# Altium PCB PCB_15122020_01BC.PcbDoc (part 2 of 9)
Units mm, origin at the board's own origin, x right, y up, seen from the top; angles counter-clockwise.
Board outline 207.9 x 131.1 mm, 4 copper layers (Top Layer, Layer 1, Layer 2, Bottom Layer), stack 1.57 mm thick; 684 components, 706 nets, 2796 pads, 1697 vias.
Unrouted connection lines stored in the file: 3.
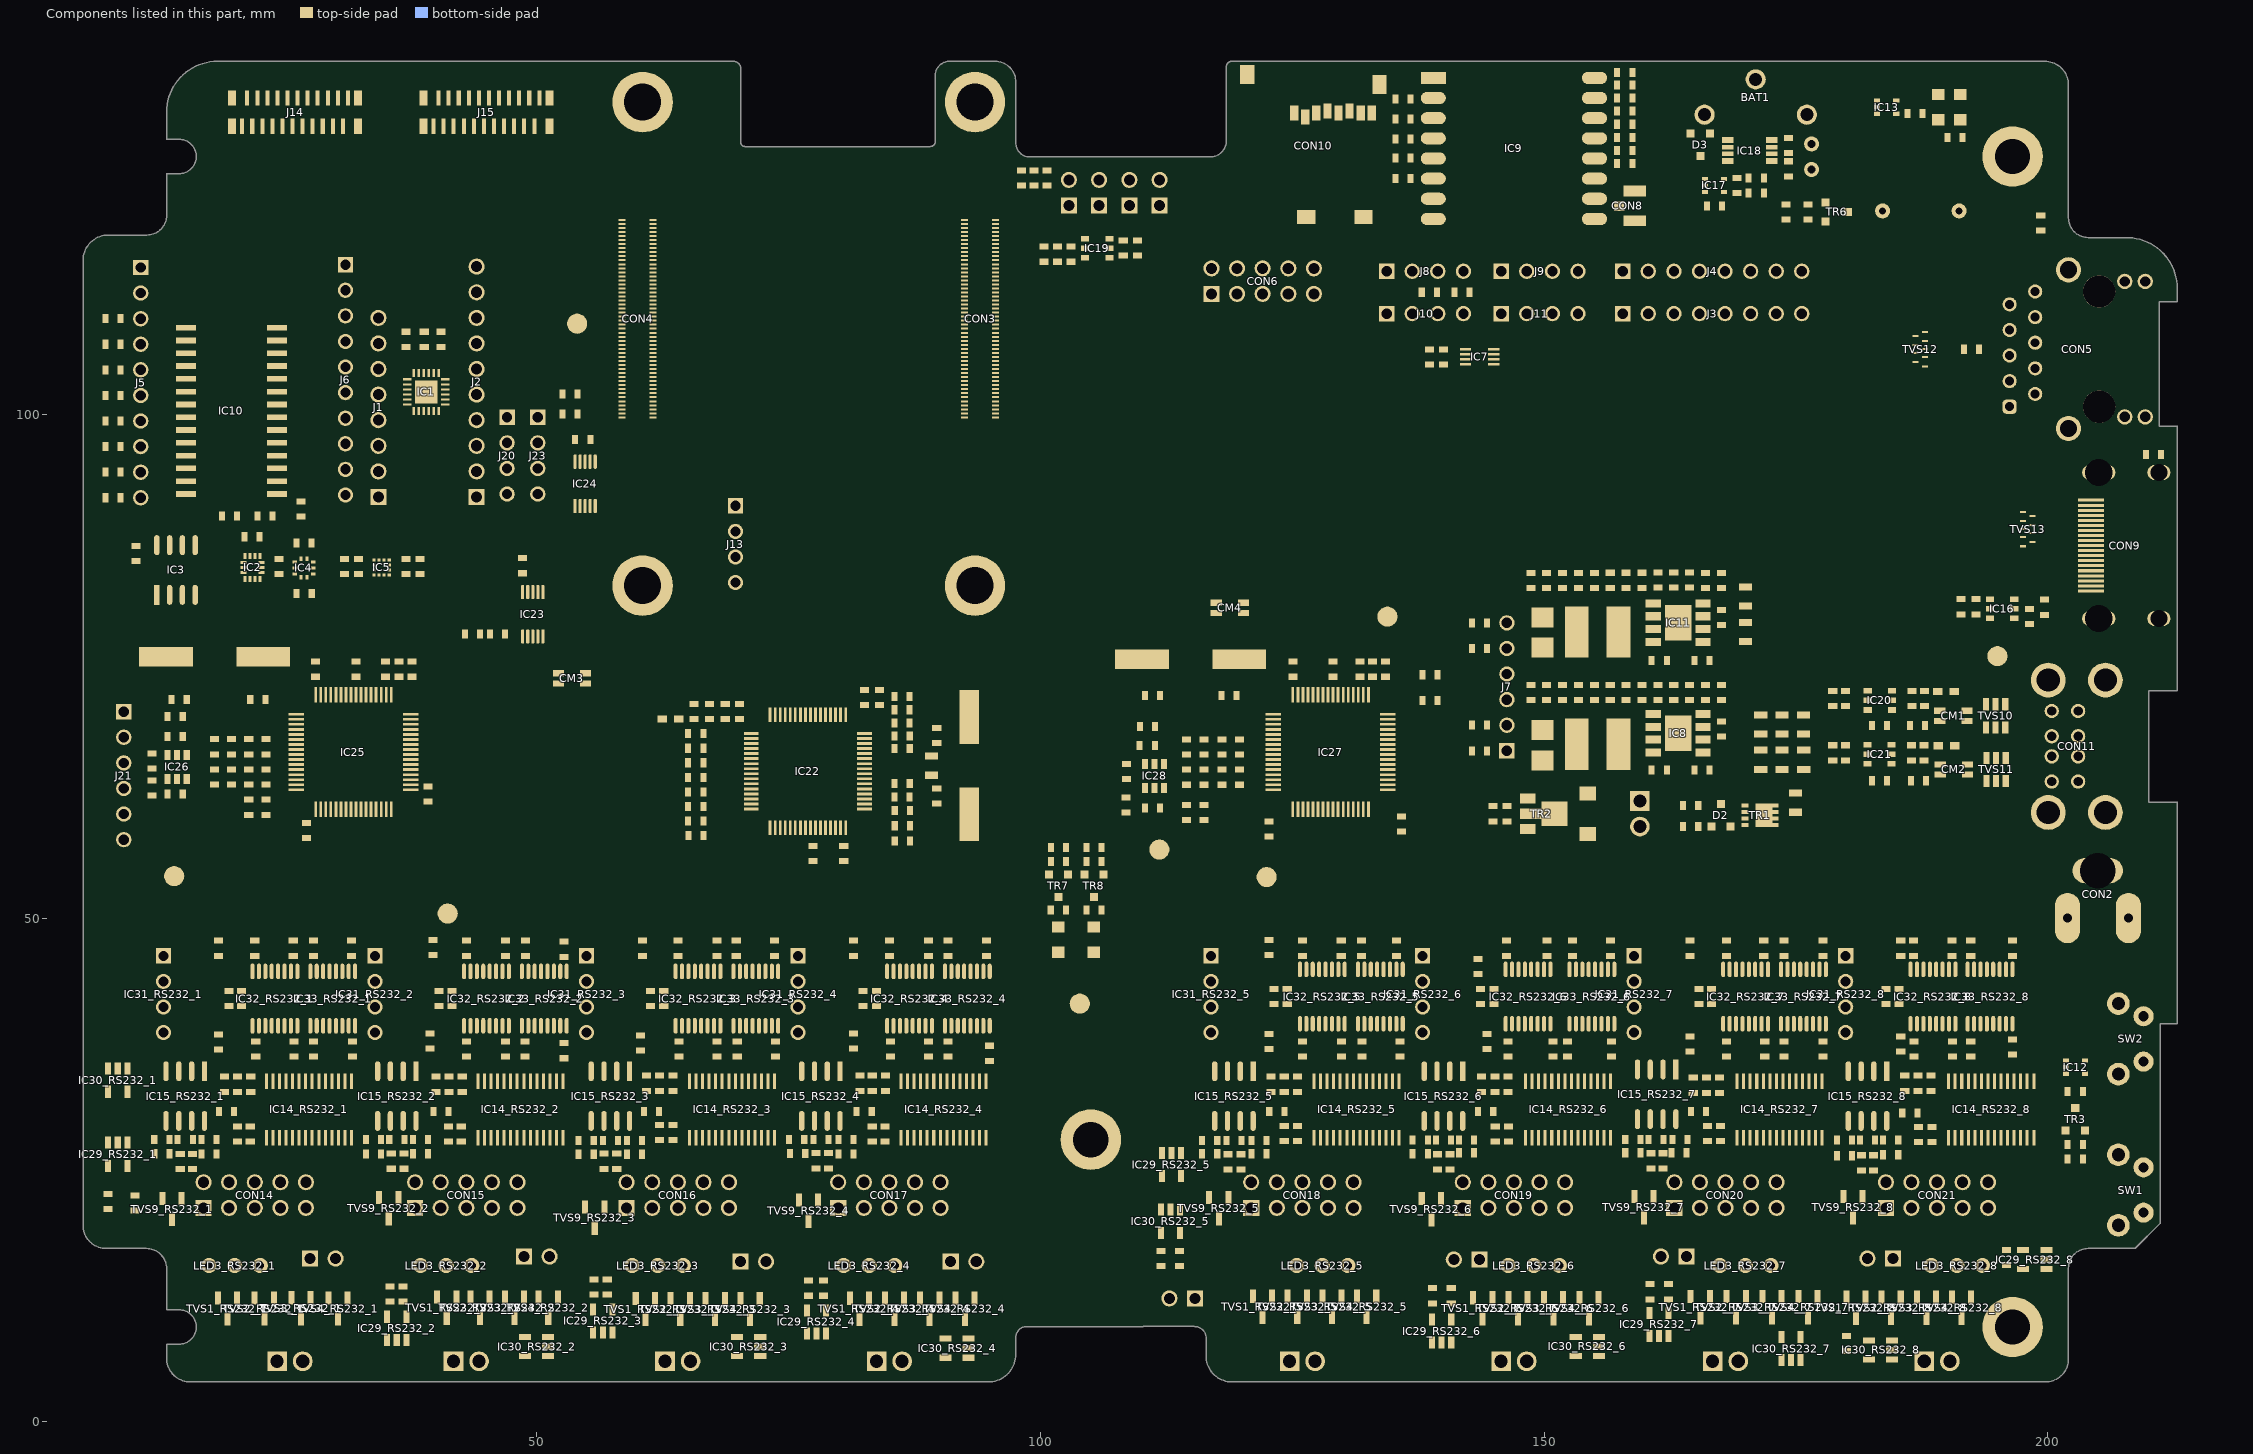
[diagram p4: the components of this part, seen from the top]

## Components (designator, comment, footprint, x,y, rotation, side; value= is the part's Value field where it differs from the comment) (continued)
R65_RS232_8 "120R" R0603 182.099,27.95 r0 top (schematic designator R65)
R66_RS232_1 "10R" R0603 17.446,26.589 r180 top (schematic designator R66)
R66_RS232_2 "10R" R0603 38.46,26.6 r180 top (schematic designator R66)
R66_RS232_3 "10R" R0603 59.7,26.55 r180 top (schematic designator R66)
R66_RS232_4 "10R" R0603 80.679,26.589 r180 top (schematic designator R66)
R66_RS232_5 "10R" R0603 121.7,26.6 r180 top (schematic designator R66)
R66_RS232_6 "10R" R0603 142.3,26.7 r180 top (schematic designator R66)
R66_RS232_7 "10R" R0603 163.4,26.7 r180 top (schematic designator R66)
R66_RS232_8 "10R" R0603 184.4,26.5 r180 top (schematic designator R66)
R67_RS232_1 "10R" R0603 12.8,26.6 r0 top (schematic designator R67)
R67_RS232_2 "10R" R0603 33.8,26.577 r0 top (schematic designator R67)
R67_RS232_3 "10R" R0603 54.9,26.55 r0 top (schematic designator R67)
R67_RS232_4 "10R" R0603 75.9,26.605 r0 top (schematic designator R67)
R67_RS232_5 "10R" R0603 116.8,26.6 r0 top (schematic designator R67)
R67_RS232_6 "10R" R0603 137.7,26.6 r0 top (schematic designator R67)
R67_RS232_7 "10R" R0603 158.8,26.7 r0 top (schematic designator R67)
R67_RS232_8 "10R" R0603 179.8,26.4 r0 top (schematic designator R67)
R68 "10K" R0603 105.3,57 r0 top
R69_RS232_1 "0R" R0603 25.824,47 r270 top (schematic designator R69)
R69_RS232_2 "0R" R0603 46.9,47 r270 top (schematic designator R69)
R69_RS232_3 "0R" R0603 67.9,47 r270 top (schematic designator R69)
R69_RS232_4 "0R" R0603 88.9,47 r270 top (schematic designator R69)
R69_RS232_5 "0R" R0603 129.859,47 r270 top (schematic designator R69)
R69_RS232_6 "0R" R0603 150.3,47 r270 top (schematic designator R69)
R69_RS232_7 "0R" R0603 171.8,47 r270 top (schematic designator R69)
R69_RS232_8 "0R" R0603 190.5,47 r270 top (schematic designator R69)
R70_RS232_1 "1K" R0603 12.772,28 r0 top (schematic designator R70)
R70_RS232_2 "1K" R0603 33.772,28 r0 top (schematic designator R70)
R70_RS232_3 "1K" R0603 54.9,27.9 r0 top (schematic designator R70)
R70_RS232_4 "1K" R0603 75.8,28 r0 top (schematic designator R70)
R70_RS232_5 "1K" R0603 116.8,27.9 r0 top (schematic designator R70)
R70_RS232_6 "1K" R0603 137.7,27.95 r0 top (schematic designator R70)
R70_RS232_7 "1K" R0603 158.8,28 r0 top (schematic designator R70)
R70_RS232_8 "1K" R0603 179.8,27.95 r0 top (schematic designator R70)
R71_RS232_1 "0R" R0603 25.908,37 r270 top (schematic designator R71)
R71_RS232_2 "0R" R0603 46.9,37 r270 top (schematic designator R71)
R71_RS232_3 "0R" R0603 67.9,37 r270 top (schematic designator R71)
R71_RS232_4 "0R" R0603 88.9,37 r270 top (schematic designator R71)
R71_RS232_5 "0R" R0603 129.9,37 r270 top (schematic designator R71)
R71_RS232_6 "0R" R0603 150.875,37 r270 top (schematic designator R71)
R71_RS232_7 "0R" R0603 171.9,37 r270 top (schematic designator R71)
R71_RS232_8 "0R" R0603 190.525,37 r270 top (schematic designator R71)
R72 "10K" R0603 192.865,80.9 r90 top
R73 "39K" R0603 198.2,79.95 r90 top
R74 "510K" R0603 171.053,123.475 r180 top
R75 "510K" R0603 169.153,122.725 r90 top
R76 "10K" R0603 101.688,115.9 r90 top
R77 "10K" R0603 100.338,115.9 r90 top
R78 "0R" R0603 166.9,120.7 r0 top
R79 "10K" R0603 103.038,115.9 r90 top
R80 "47K" R0603 108.213,116.5 r90 top
R81 "10K" R0603 174,120.1 r270 top
R82 "100K" R0603 176.2,120.1 r270 top
R83 "10K" R0603 21.731,87.85 r0 top
R84 "10K" R0603 26.881,87.225 r0 top
R85 "10K" R0603 32.3,84.9 r90 top
R86 "10K" R0603 183.3,69.101 r180 top
R87 "30K" R0603 187.075,69.101 r0 top
R88 "100K" R0603 101.783,55.6 r0 top
R89 "100K" R0603 105.3,55.6 r0 top
R90_RS232_1 "0R" R0603 27.811,47 r270 top (schematic designator R90)
R90_RS232_2 "0R" R0603 48.889,47 r270 top (schematic designator R90)
R90_RS232_3 "0R" R0603 69.8,47 r270 top (schematic designator R90)
R90_RS232_4 "0R" R0603 90.8,47 r270 top (schematic designator R90)
R90_RS232_5 "0R" R0603 131.85,47 r270 top (schematic designator R90)
R90_RS232_6 "0R" R0603 152.8,47 r270 top (schematic designator R90)
R90_RS232_7 "0R" R0603 173.8,47 r270 top (schematic designator R90)
R90_RS232_8 "0R" R0603 192.35,47 r270 top (schematic designator R90)
R91 "0R" R0603 86.281,60.662 r180 top
R92 "10K" R0603 183.279,63.625 r180 top
R93 "30K" R0603 187.15,63.625 r0 top
R94 "2K2" R0603 43.6,78.2 r180 top
R95 "100K" R0603 86.281,59.162 r0 top
R96 "2K2" R0603 46.105,78.2 r180 top
R97_RS232_1 "0R" R0603 27.811,37 r270 top (schematic designator R97)
R97_RS232_2 "0R" R0603 48.83,37 r270 top (schematic designator R97)
R97_RS232_3 "0R" R0603 69.9,37 r270 top (schematic designator R97)
R97_RS232_4 "0R" R0603 90.8,37 r270 top (schematic designator R97)
R97_RS232_5 "0R" R0603 131.9,37 r270 top (schematic designator R97)
R97_RS232_6 "0R" R0603 152.3,37 r270 top (schematic designator R97)
R97_RS232_7 "0R" R0603 173.8,37 r270 top (schematic designator R97)
R97_RS232_8 "0R" R0603 192.35,37 r270 top (schematic designator R97)
R98 "47K" R0603 65.777,63.972 r180 top
R99 "47K" R0603 65.777,65.414 r180 top
R102 "100K" R0603 80.472,56.4 r270 top
R104 "2K2" R0603 53.3,102 r180 top
R106 "12K" R0603 82.526,71.886 r90 top
R107 "1M" R0805 89.2,65.125 r90 top
R108 "2K2" R0603 53.3,100.05 r0 top
R109 "1K" R0603 21.4,61 r90 top
R110 "100K" R0603 23.1,61 r90 top
R111 "12K" R0603 23.1,67 r90 top
R112 "10K" R0603 11.8,62.9 r90 top
R113 "10K" R0603 14.1,68 r180 top
R114 "10K" R0603 11.8,65.6 r90 top
R115 "10K" R0603 14.1,62.3 r0 top
R116 "1K" R0603 114.48,60.492 r90 top
R117 "100K" R0603 116.245,60.492 r90 top
R118 "12K" R0603 119.775,66.981 r90 top
R119 "10K" R0603 108.51,61.22 r90 top
R120 "10K" R0603 110.6,67.11 r180 top
R121 "10K" R0603 108.52,64.55 r270 top
R122 "10K" R0603 111.11,60.92 r0 top
R123 "47K" R0603 65.777,66.857 r180 top
R124 "47K" R0603 65.777,68.3 r180 top
R125 "10K" R0603 84.013,71.886 r90 top
SW1 "L-KLS7-TS6606-9.0-250" "Right angle 9mm" 207,23 r90 top locked
SW2 "L-KLS7-TS6606-9.0-250" "Right angle 9mm" 207,38 r90 top
TP3 "TestPoint1" SMD_2mmPoint 103.9,41.5 r0 top
TP4 "TestPoint1" SMD_2mmPoint 111.8,56.8 r0 top
TP5 "TestPoint1" SMD_2mmPoint 134.444,79.923 r0 top
TR1 "DMP3013SFV-7" PowerDI3333-8 171.424,60.2 r270 top
TR2 "BCX56-16,115" SOT89 150.122,60.35 r270 top
TR3 "BC847,215" SOT23 202.725,30.025 r0 top
TR6 "BC847,215" SOT23 179.05,120.1 r270 top
TR7 "BC847,215" SOT23 101.783,53.2 r180 top
TR8 "BC847,215" SOT23 105.3,53.2 r180 top
TVS1_RS232_1 "PESD12VL2BT,215" SOT-23 19.3,11.227 r180 top (schematic designator TVS1)
TVS1_RS232_2 "PESD12VL2BT,215" SOT-23 41.059,11.315 r180 top (schematic designator TVS1)
TVS1_RS232_3 "PESD12VL2BT,215" SOT-23 60.77,11.179 r180 top (schematic designator TVS1)
TVS1_RS232_4 "PESD12VL2BT,215" SOT-23 82.023,11.2 r180 top (schematic designator TVS1)
TVS1_RS232_5 "PESD12VL2BT,215" SOT-23 122.044,11.4 r180 top (schematic designator TVS1)
TVS1_RS232_6 "PESD12VL2BT,215" SOT-23 143.9,11.25 r180 top (schematic designator TVS1)
TVS1_RS232_7 "PESD12VL2BT,215" SOT-23 165.5,11.358 r180 top (schematic designator TVS1)
TVS1_RS232_8 "PESD12VL2BT,215" SOT-23 180.953,11.3 r180 top (schematic designator TVS1)
TVS2_RS232_1 "PESD12VL2BT,215" SOT-23 22.946,11.227 r180 top (schematic designator TVS2)
TVS2_RS232_2 "PESD12VL2BT,215" SOT-23 44.371,11.315 r180 top (schematic designator TVS2)
TVS2_RS232_3 "PESD12VL2BT,215" SOT-23 64.241,11.179 r180 top (schematic designator TVS2)
TVS2_RS232_4 "PESD12VL2BT,215" SOT-23 85.514,11.2 r180 top (schematic designator TVS2)
TVS2_RS232_5 "PESD12VL2BT,215" SOT-23 125.49,11.4 r180 top (schematic designator TVS2)
TVS2_RS232_6 "PESD12VL2BT,215" SOT-23 147.413,11.25 r180 top (schematic designator TVS2)
TVS2_RS232_7 "PESD12VL2BT,215" SOT-23 169.067,11.358 r180 top (schematic designator TVS2)
TVS2_RS232_8 "PESD12VL2BT,215" SOT-23 184.45,11.3 r180 top (schematic designator TVS2)
TVS3_RS232_1 "PESD12VL2BT,215" SOT-23 26.6,11.252 r180 top (schematic designator TVS3)
TVS3_RS232_2 "PESD12VL2BT,215" SOT-23 47.79,11.315 r180 top (schematic designator TVS3)
TVS3_RS232_3 "PESD12VL2BT,215" SOT-23 67.711,11.179 r180 top (schematic designator TVS3)
TVS3_RS232_4 "PESD12VL2BT,215" SOT-23 89.005,11.2 r180 top (schematic designator TVS3)
TVS3_RS232_5 "PESD12VL2BT,215" SOT-23 128.936,11.4 r180 top (schematic designator TVS3)
TVS3_RS232_6 "PESD12VL2BT,215" SOT-23 150.927,11.25 r180 top (schematic designator TVS3)
TVS3_RS232_7 "PESD12VL2BT,215" SOT-23 172.633,11.358 r180 top (schematic designator TVS3)
TVS3_RS232_8 "PESD12VL2BT,215" SOT-23 187.947,11.3 r180 top (schematic designator TVS3)
TVS4_RS232_1 "PESD12VL2BT,215" SOT-23 30.25,11.227 r180 top (schematic designator TVS4)
TVS4_RS232_2 "PESD12VL2BT,215" SOT-23 51.135,11.315 r180 top (schematic designator TVS4)
TVS4_RS232_3 "PESD12VL2BT,215" SOT-23 71.182,11.179 r180 top (schematic designator TVS4)
TVS4_RS232_4 "PESD12VL2BT,215" SOT-23 92.496,11.2 r180 top (schematic designator TVS4)
TVS4_RS232_5 "PESD12VL2BT,215" SOT-23 132.382,11.4 r180 top (schematic designator TVS4)
TVS4_RS232_6 "PESD12VL2BT,215" SOT-23 154.44,11.25 r180 top (schematic designator TVS4)
TVS4_RS232_7 "PESD12VL2BT,215" SOT-23 176.2,11.358 r180 top (schematic designator TVS4)
TVS4_RS232_8 "PESD12VL2BT,215" SOT-23 191.444,11.3 r180 top (schematic designator TVS4)
TVS9_RS232_1 "SM712-02HTG" SOT-23 13.792,21.107 r180 top (schematic designator TVS9)
TVS9_RS232_2 "SM712-02HTG" SOT-23 35.3,21.2 r180 top (schematic designator TVS9)
TVS9_RS232_3 "SM712-02HTG" SOT-23 55.75,20.25 r180 top (schematic designator TVS9)
TVS9_RS232_4 "SM712-02HTG" SOT-23 76.985,20.95 r180 top (schematic designator TVS9)
TVS9_RS232_5 "SM712-02HTG" SOT-23 117.7,21.2 r180 top (schematic designator TVS9)
TVS9_RS232_6 "SM712-02HTG" SOT-23 138.8,21.1 r180 top (schematic designator TVS9)
TVS9_RS232_7 "SM712-02HTG" SOT-23 159.9,21.3 r180 top (schematic designator TVS9)
TVS9_RS232_8 "SM712-02HTG" SOT-23 180.674,21.3 r180 top (schematic designator TVS9)
TVS10 "824015" SOT-23-6 194.825,70.075 r0 top
TVS11 "824015" SOT-23-6 194.875,64.75 r0 top
TVS12 "824014885" WE-TVS_DFN3810-9L 187.35,106.475 r90 top
TVS13 "824014885" WE-TVS_DFN3810-9L 198,88.607 r270 top
XTAL1 "32768Hz" FORKCRYSTAL 176.55,125.575 r90 top
XTAL2 "24.000MHZ" CRYSTALSMD 92.95,65.125 r270 top
XTAL3 "ABLS2-12.000MHZ-D4Y-T" CRYSTALSMD 18.024,75.925 r0 top locked
XTAL4 "ABLS2-12.000MHZ-D4Y-T" CRYSTALSMD 114.9,75.7 r0 top

## Footprints (in the part's own frame and the unit in brackets; to place one, negate y for a bottom-side part, rotate by r counter-clockwise, add the part's x,y. Pads: shape width x height; smd on the part's side, far side on the other; paste and mask are expansions set on the pad)
"2mm Fiducial"#1 [mm] "2mm Fiducial"
  round 2 smd mask+0: 1(-0.53,0.416)
"2mm Fiducial"#2 [mm] "2mm Fiducial"
  round 2 smd mask+0: 1(-0.2,-0.252)
"2mm Fiducial"#3 [mm] "2mm Fiducial"
  round 2 smd mask+0: 1(-0.516,0.423)
"2mm Fiducial"#4 [mm] "2mm Fiducial"
  round 2 smd mask+0: 1(0.213,-0.282)
"2mm Fiducial"#5 [mm] "2mm Fiducial"
  round 2 smd mask+0: 1(-0.297,0.064)
"3.5mm hole"#1 [mm]
  round 6 hole 3.5 mask+0: 1(0,0)
"3.5mm hole"#2 [mm]
  round 6 hole 3.5 mask+0: 1(-0.7,0)
3RG9HC-1 [mil] "3RG9HC-1"
  round 60 hole 31.5: 1(-100,0) 2(0,0) 3(100,0)
  silkscreen extent -59,-59 59,59, body extent -114,-67 114,79, height 272
0805_RED [mm]
  rect 1.1x1.25 smd: 1(-1.25,0) 2(1.25,0)
  silkscreen extent -2.03,-0.89 2.03,0.89, body extent -1.05,-0.67 1.05,0.68, height 0.92
2086581101 [mm]
  rect 0.3x2.6 smd: 1(4.5,0) 2(4,0) 3(3.5,0) 4(3,0) 5(2.5,0) 6(2,0) 7(1.5,0) 8(1,0) 9(0.5,0) 10(0,0) 11(-0.5,0) 12(-1,0) 13(-1.5,0) 14(-2,0) 15(-2.5,0) 16(-3,0) 17(-3.5,0) 18(-4,0) 19(-4.5,0)
  oval 1.5x2.3 hole 1.7 slot 0.7 at 0 deg: 20(-7.25,-6.72) 20(7.25,-6.72)
  oval 1.5x3.3 hole 2.7 slot 0.7 at 0 deg: 20(-7.25,-0.76) 20(7.25,-0.76)
  silkscreen extent -7.5,-11.61 7.5,0.7, body extent -7.5,-11.7 7.5,0.71, height 6.19
7499111447 [mm] "LAN Transformer, body 21.3x16mm"
  rrect50% 1.4x1.4 hole 0.89: 1(-5.715,9.09)
  round 1.4 hole 0.89: 2(-4.445,6.55) 3(-3.175,9.09) 4(-1.905,6.55) 5(-0.635,9.09) 6(0.635,6.55) 7(1.905,9.09) 8(3.175,6.55) 9(4.445,9.09) 10(5.715,6.55)
  round 1.52 hole 1.02: 11(-6.725,-2.34) 12(-6.725,-4.37) 13(6.725,-2.34) 14(6.725,-4.37)
  round 3.2 hole 3.2 unplated: MH1(-5.715,0.2) MH2(5.715,0.2)
  round 2.5 hole 1.7: Shell(-7.875,3.25) Shell(7.875,3.25)
  silkscreen extent -9.68,-10.65 9.68,10.65, body extent -9.72,-10.65 9.72,10.65, height 15.35
9774015151 [mm] "SMT Steel Spacer with internal Thread M2.5, height 1.5mm"
  round 6 / inner round 0 / far side round 0 hole 3.7 unplated: 1(0,0)
  body extent -2.55,-2.55 2.55,2.55, height 1.5
61201021621 [mm] "10 pins, straight, gold plating"
  rect 1.6x1.6 hole 1.1: 1(-5.08,-1.27)
  round 1.6 hole 1.1: 2(-5.08,1.27) 3(-2.54,-1.27) 4(-2.54,1.27) 5(0,-1.27) 6(0,1.27) 7(2.54,-1.27) 8(2.54,1.27) 9(5.08,-1.27) 10(5.08,1.27)
  silkscreen extent -10.28,-4.5 10.28,4.5, body extent -10.18,-4.42 10.18,4.75, height 9.13
61300211121 [mm] "Pin Header, pitch 2.54 mm, THT, Vertical, single row, 2p"
  rect 1.6x1.6 hole 1.1: 1(-1.27,0)
  round 1.6 hole 1.1: 2(1.27,0)
  silkscreen extent -2.69,-1.35 2.69,1.35, body extent -2.54,-1.27 2.54,1.27, height 8.57
61300411821 [mm] "Socket Header, Pitch 2.54 mm, THT, Vertical, single row, 4p"
  rect 1.52x1.52 hole 1.02: 1(-3.81,0) 1(-3.81,0)
  round 1.52 hole 1.02: 2(-1.27,0) 2(-1.27,0) 3(1.27,0) 3(1.27,0) 4(3.81,0) 4(3.81,0)
  silkscreen extent -5.46,-1.35 5.46,1.35, body extent -5.33,-1.25 5.33,1.25, height 8.55
61300611821 [mm] "Socket Header, Pitch 2.54 mm, THT, Vertical, single row, 6p"
  rect 1.52x1.52 hole 1.02: 1(-6.35,0)
  round 1.52 hole 1.02: 2(-3.81,0) 3(-1.27,0) 4(1.27,0) 5(3.81,0) 6(6.35,0)
  silkscreen extent -8,-1.35 8,1.35, body extent -7.87,-1.25 7.87,1.25, height 8.55
61300811121 [mm] "Pin Header, pitch 2.54 mm, THT, Vertical, single row, 8p"
  rect 1.6x1.6 hole 1.1: 1(-8.89,0)
  round 1.6 hole 1.1: 2(-6.35,0) 3(-3.81,0) 4(-1.27,0) 5(1.27,0) 6(3.81,0) 7(6.35,0) 8(8.89,0)
  silkscreen extent -10.31,-1.35 10.31,1.35, body extent -10.16,-1.27 10.16,1.27, height 8.57
61300811821 [mm] "Socket Header, Pitch 2.54 mm, THT, Vertical, single row, 8p"
  rect 1.52x1.52 hole 1.02: 1(-8.89,0)
  round 1.52 hole 1.02: 2(-6.35,0) 3(-3.81,0) 4(-1.27,0) 5(1.27,0) 6(3.81,0) 7(6.35,0) 8(8.89,0)
  silkscreen extent -10.54,-1.35 10.54,1.35, body extent -10.41,-1.25 10.41,1.25, height 8.55
61301011121 [mm] "Pin Header, pitch 2.54 mm, THT, Vertical, single row, 10p"
  rect 1.6x1.6 hole 1.1: 1(-11.43,0)
  round 1.6 hole 1.1: 2(-8.89,0) 3(-6.35,0) 4(-3.81,0) 5(-1.27,0) 6(1.27,0) 7(3.81,0) 8(6.35,0) 9(8.89,0) 10(11.43,0)
  silkscreen extent -12.85,-1.35 12.85,1.35, body extent -12.7,-1.27 12.7,1.27, height 8.57
61301011821 [mm] "Socket Header, Pitch 2.54 mm, THT, Vertical, single row, 10p"
  rect 1.52x1.52 hole 1.02: 1(-11.43,0)
  round 1.52 hole 1.02: 2(-8.89,0) 3(-6.35,0) 4(-3.81,0) 5(-1.27,0) 6(1.27,0) 7(3.81,0) 8(6.35,0) 9(8.89,0) 10(11.43,0)
  silkscreen extent -13.08,-1.35 13.08,1.35, body extent -12.95,-1.25 12.95,1.25, height 8.55
61400826021 [mm] "USB 2.0 Type A Horizontal Dual Stacked"
  round 1.42 hole 0.92: A1(-3.5,7.11) A2(-1,7.11) A3(1,7.11) A4(3.5,7.11) B1(-3.5,4.49) B2(-1,4.49) B3(1,4.49) B4(3.5,4.49)
  round 3.45 hole 2.3: Shell(-6.57,1.78) Shell(-6.57,7.46) Shell(6.57,1.78) Shell(6.57,7.46)
  silkscreen extent -7.25,-8.5 7.25,8.5, body extent -7.91,-8.5 7.91,8.65, height 15.99
618009221823 [mm]
  body extent -6.25,-9.06 6.3,12.3, height 33.41
687322124422 [mm] "ZIF Connectors, Vertical, Type A, pitch 0.5mm, 22p"
  rect 0.4x1.5 smd: 1(-5.25,-1.4) 2(-4.75,1.4) 3(-4.25,-1.4) 4(-3.75,1.4) 5(-3.25,-1.4) 6(-2.75,1.4) 7(-2.25,-1.4) 8(-1.75,1.4) 9(-1.25,-1.4) 10(-0.75,1.4) 11(-0.25,-1.4) 12(0.25,1.4) 13(0.75,-1.4) 14(1.25,1.4) 15(1.75,-1.4) 16(2.25,1.4) 17(2.75,-1.4) 18(3.25,1.4) 19(3.75,-1.4) 20(4.25,1.4) 21(4.75,-1.4) 22(5.25,1.4)
  rect 0.8x1.5 smd: MP1(-6.25,-1.4) MP2(-6.25,1.4) MP3(6.25,-1.4) MP4(6.25,1.4)
  silkscreen extent -8.77,-2.75 8.78,1.07, body extent -8.7,-1.75 8.7,1.75, height 4.92
691210910002 [mm] "2,54mm - modular - green - Horizontal wire entry - Cage clamp - 0,8mm2 wires - 02p"
  rect 1.95x1.95 hole 1.3: 1(-1.27,0)
  round 1.95 hole 1.3: 2(1.27,0)
  silkscreen extent -2.74,-3.25 2.74,3.25, body extent -2.74,-3.25 2.74,3.25, height 8.55
693071010811_WRE [mil]
  rect 32x59 smd paste+0 mask+0: 1(71.46,-118.26) 2(28.15,-102.51) 3(-15.15,-118.26) 4(-58.46,-126.13) 5(-101.77,-118.26) 6(-145.08,-126.13) 7(-188.39,-118.26) 8(-231.7,-118.26)
  rect 55x75 smd: 9(-262.8,-230.46) 9(254.92,-269.83)
  rect 71x55 smd: 10(-199.8,287.25) 10(24.61,287.25)
  silkscreen extent -286,-308 286,308, body extent -280,-300 272,298, height 72
Buzzer12mmx9.5mm [mm]
  round 1.5 hole 0.7: 1(-3.8,0) 2(3.8,0)
  silkscreen extent -6.1,-6.1 6.1,6.1, body extent -9.45,-6 6,6, height 9.66
C0603 [mm]
  rect 0.6x0.9 smd: 1(-0.75,0) 2(0.75,0)
  silkscreen extent -0.2,-0.5 0.2,0.5, body extent -0.8,-0.4 0.8,0.4, height 0.8
C0805 [mm]
  rect 0.7x1.3 smd: 1(-0.95,0) 2(0.95,0)
  silkscreen extent -1.6,-0.9 1.6,0.9, body extent -1,-0.62 1,0.62, height 0.81
CE [mm]
  silkscreen extent -3.81,-2.64 3.81,2.69
CM4_BOARD_SIDE [mm]
  silkscreen extent -27.5,-20 27.5,20, body extent -27.5,-20 27.5,20, height 5.15
CP_24_1 [mm]
  rect 0.808x0.225 smd paste+0 mask+0: 1(-1.89,1.25) 2(-1.89,0.75) 3(-1.89,0.25) 4(-1.89,-0.25) 5(-1.89,-0.75) 6(-1.89,-1.25) 13(1.89,-1.25) 14(1.89,-0.75) 15(1.89,-0.25) 16(1.89,0.25) 17(1.89,0.75) 18(1.89,1.25)
  rect 0.225x0.808 smd paste+0 mask+0: 7(-1.25,-1.89) 8(-0.75,-1.89) 9(-0.25,-1.89) 10(0.25,-1.89) 11(0.75,-1.89) 12(1.25,-1.89) 19(1.25,1.89) 20(0.75,1.89) 21(0.25,1.89) 22(-0.25,1.89) 23(-0.75,1.89) 24(-1.25,1.89)
  rect 2.261x2.261 smd paste-1.118 mask+0: 25(0,0)
  silkscreen extent -2.12,-2.12 2.12,2.12, body extent -1.99,-1.99 1.99,1.99, height 0.97
CR2032V [mm]
  round 2 hole 1.3: 1(-1.75,5.08) 1(-1.75,-5.08) 2(1.75,0)
  silkscreen extent -1.9,-10.03 1.78,10.03, body extent -1.88,-10.01 1.93,10.01, height 21.02
CRYSTALSMD [mil]
  rect 210x76 smd: 1(-190,0) 2(190,0)
  silkscreen extent -225,-95 225,95, body extent -252,-95 252,95, height 170
CT3528 [mm]
  rect 2x2.2 smd: 1(-1.5,0) 2(1.5,0)
  silkscreen extent -3.12,-1.65 2.8,1.65, body extent -1.85,-1.46 1.85,1.47, height 2.02
ESD [mm]
  silkscreen extent -1.8,-1.73 1.8,1.83
ETIKET [mm]
  silkscreen extent -10,-5 10,5